# Altium PCB Hydro_USBL_PCB.PcbDoc (part 1 of 2) (continued)
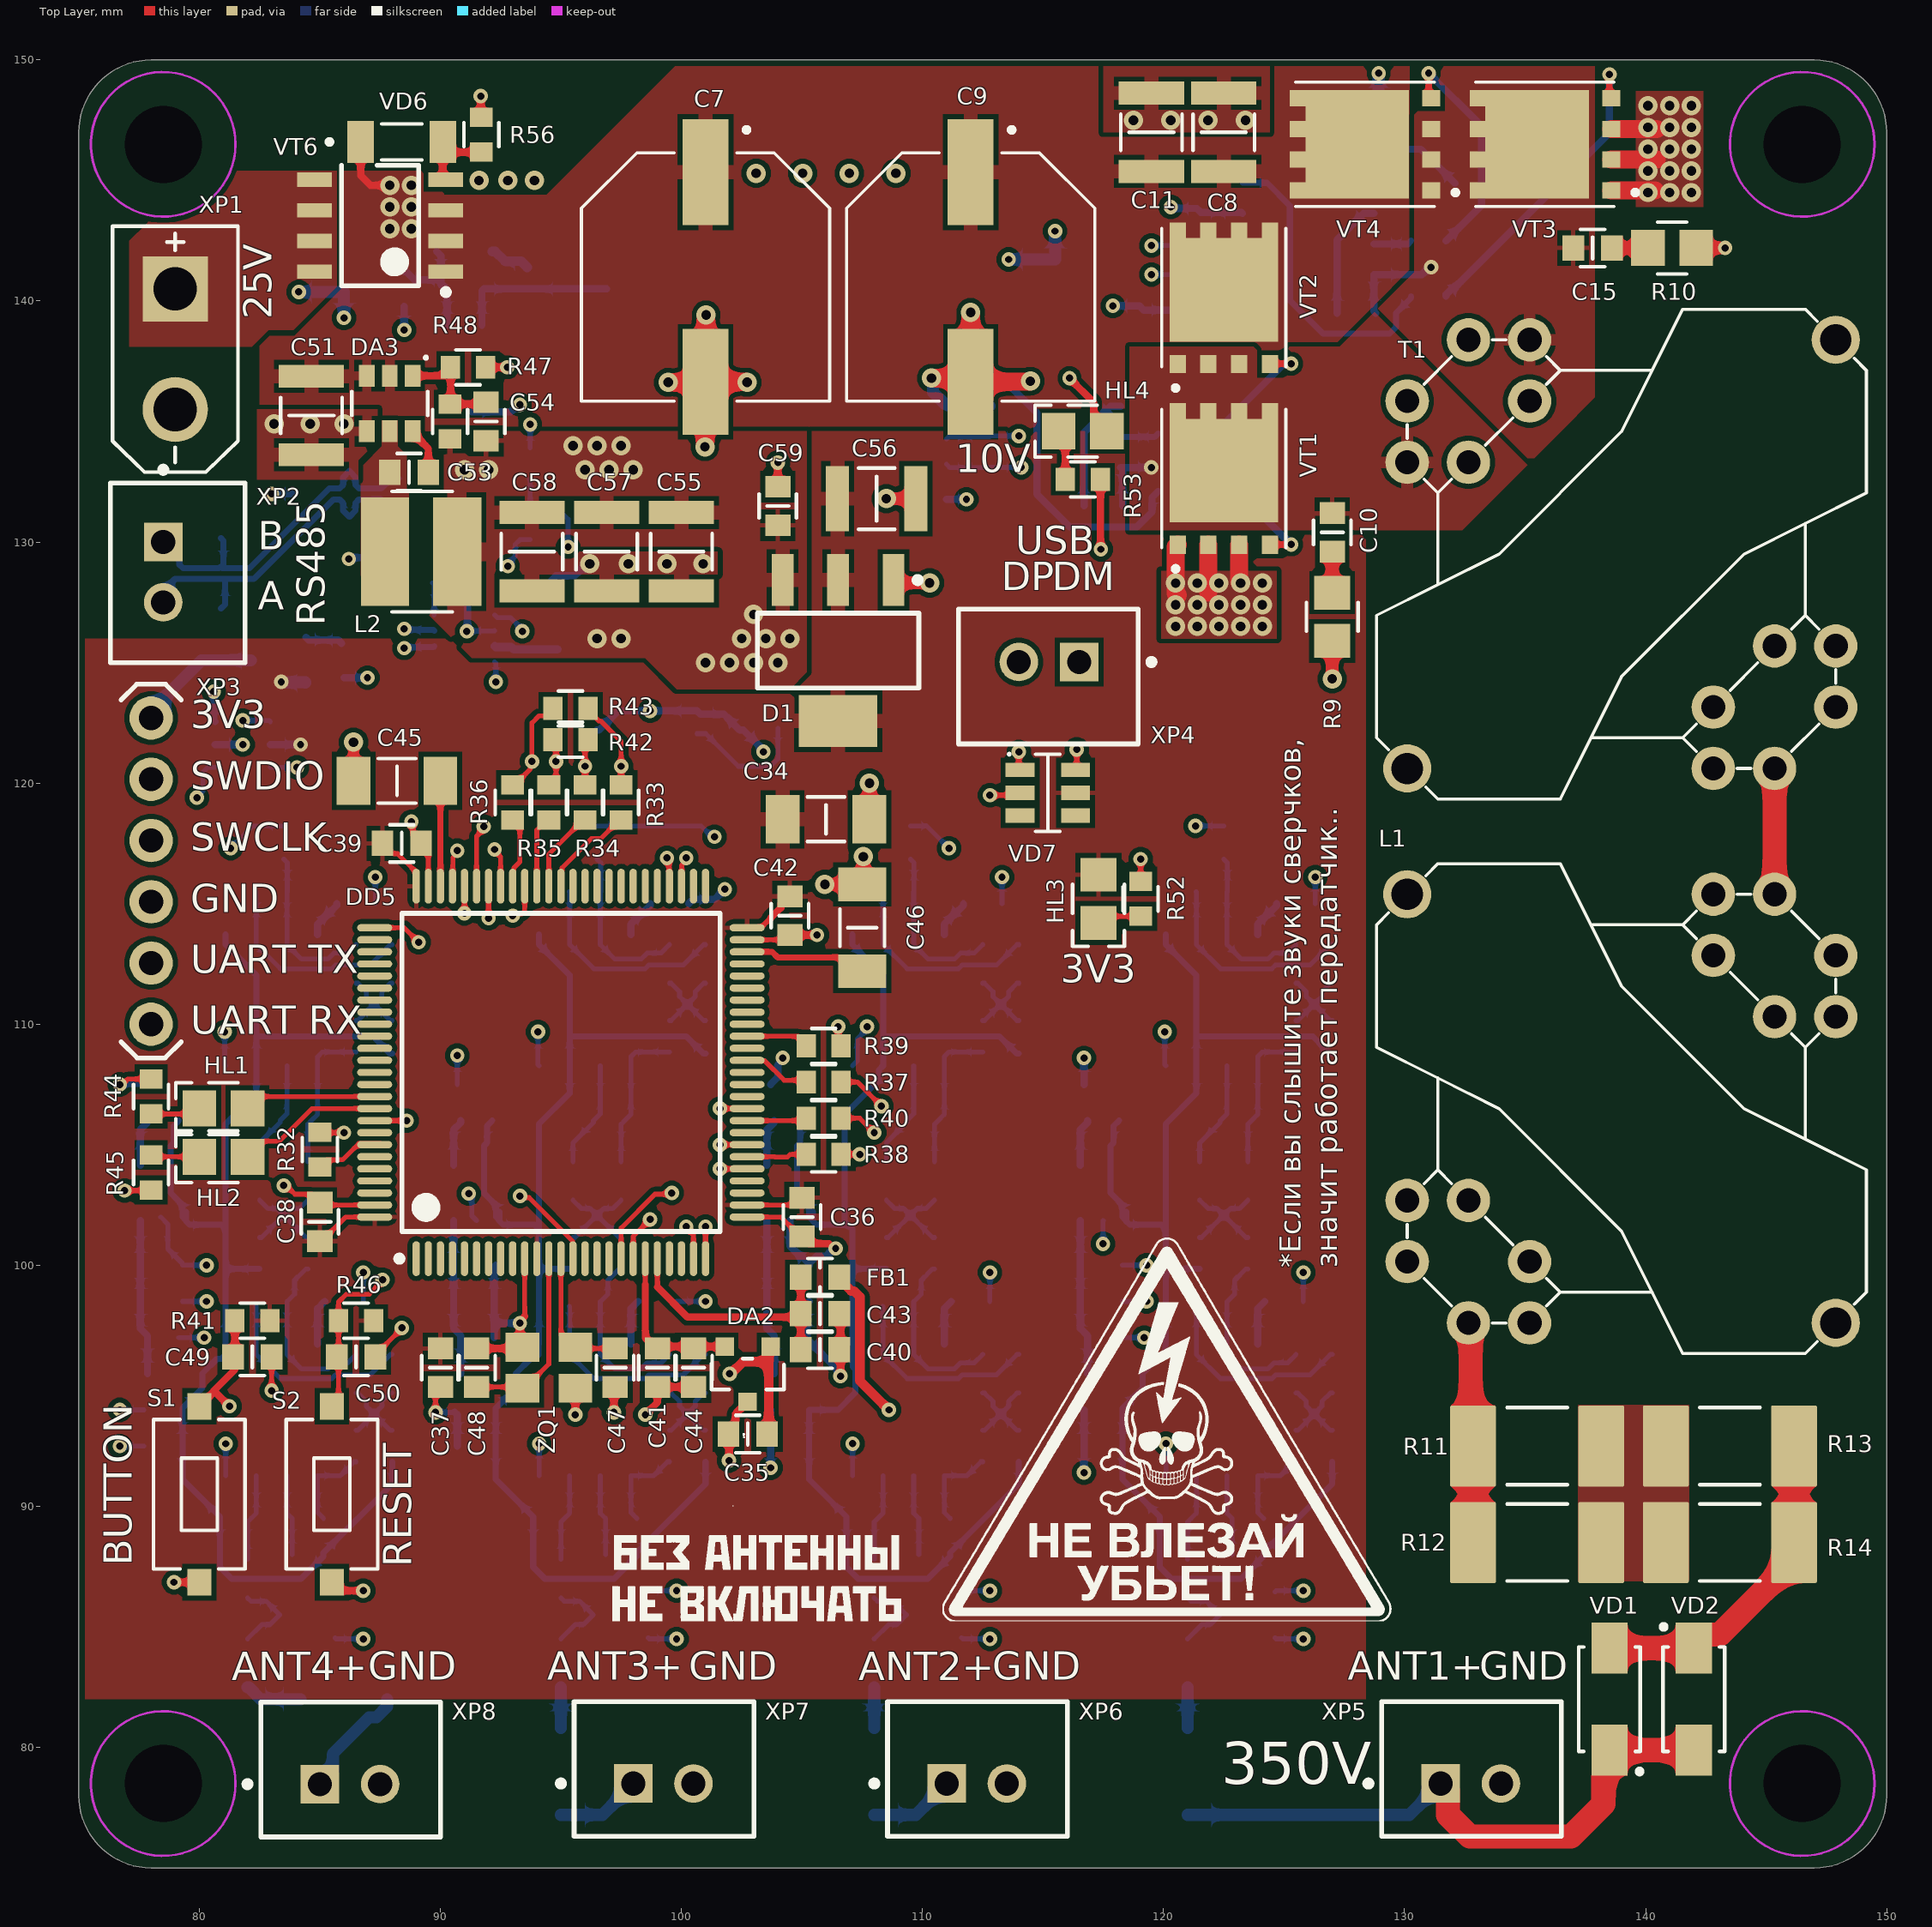
[diagram p0: Top Layer view]
## Components (designator, comment, footprint, x,y, rotation, side; value= is the part's Value field where it differs from the comment) (continued)
DD3B "AD8656" SOIC-8 109,94 r90 bottom (schematic designator DD3)
DD3C "AD8656" SOIC-8 96,94 r90 bottom (schematic designator DD3)
DD3D "AD8656" SOIC-8 83,94 r90 bottom (schematic designator DD3)
DD4A "AD8656" SOIC-8 122,111 r90 bottom (schematic designator DD4)
DD4B "AD8656" SOIC-8 109,111 r90 bottom (schematic designator DD4)
DD4C "AD8656" SOIC-8 96,111 r90 bottom (schematic designator DD4)
DD4D "AD8656" SOIC-8 83,111 r90 bottom (schematic designator DD4)
DD5 "STM32H743VIT6" LQFP100 95,108 r90 top
DD6 "MAX485CSA" SOIC-8 91,132 r180 bottom
DD7 "MAX3051EKA+T" SOT23-8 91,126 r180 bottom
FB1 "BLM18AG102SN1D" 0603L 105.75,99.5 r180 top
HL1 "LED" 0805D 81,106.5 r180 top value=Зеленый
HL2 "LED" 0805D 81,104.5 r180 top value=Красный
HL3 "LED" 0805D 117.3,115.2 r270 top value=Желтый
HL4 "LED" 0805D 116.65,134.6 r180 top value=Желтый
L1 "Inductance_RM8" RM8_trans 139,106.5 r270 top
L2 "SP43-150K" SP43 89.2,129.6 r0 top value="15 мк"
L3 "SP43-150K" SP43 96.9,142 r270 bottom value="15 мк"
R1 "Resistor" 0603R 111,135 r270 bottom value="10 к"
R2 "Resistor" 0603R 121.5,143 r270 bottom value="10 к"
R3 "Resistor" 0603R 111,132.5 r90 bottom value="10 к"
R4 "Resistor" 0603R 121.5,140.35 r90 bottom value="10 к"
R5 "Resistor" 0603R 120.5,134.5 r0 bottom value=3,3
R6 "Resistor" 0603R 120.5,132.1 r0 bottom value=3,3
R7 "Resistor" 0603R 131,142.5 r0 bottom value=3,3
R8 "Resistor" 0603R 131,140.2 r0 bottom value=3,3
R9 "Resistor" 0805R 127,126.9 r90 top value=47
R10 "Resistor" 0805R 141.1,142.2 r180 top value=47
R11 "Resistor" 2512R 135.5,92.5 r0 top value=33
R12 "Resistor" 2512R 135.5,88.5 r0 top value=33
R13 "Resistor" 2512R 143.5,92.5 r0 top value=33
R14 "Resistor" 2512R 143.5,88.5 r0 top value=33
R15A "Resistor" 0805R 121,83.5 r90 bottom value="1 к" (schematic designator R15)
R15B "Resistor" 0805R 108,83.5 r90 bottom value="1 к" (schematic designator R15)
R15C "Resistor" 0805R 95,83.5 r90 bottom value="1 к" (schematic designator R15)
R15D "Resistor" 0805R 82,83.5 r90 bottom value="1 к" (schematic designator R15)
R16A "Resistor" 0603R 123.5,88 r180 bottom value="1,0 к" (schematic designator R16)
R16B "Resistor" 0603R 110.5,88 r180 bottom value="1,0 к" (schematic designator R16)
R16C "Resistor" 0603R 97.5,88 r180 bottom value="1,0 к" (schematic designator R16)
R16D "Resistor" 0603R 84.5,88 r180 bottom value="1,0 к" (schematic designator R16)
R17A "Resistor" 0603R 120.5,89.5 r0 bottom value="470 к" (schematic designator R17)
R17B "Resistor" 0603R 107.5,89.5 r0 bottom value="470 к" (schematic designator R17)
R17C "Resistor" 0603R 94.5,89.5 r0 bottom value="470 к" (schematic designator R17)
R17D "Resistor" 0603R 81.5,89.5 r0 bottom value="470 к" (schematic designator R17)
R18A "Resistor" 0603R 117.5,95.5 r0 bottom value="12 к" (schematic designator R18)
R18B "Resistor" 0603R 104.5,95.5 r0 bottom value="12 к" (schematic designator R18)
R18C "Resistor" 0603R 91.5,95.5 r0 bottom value="12 к" (schematic designator R18)
R18D "Resistor" 0603R 78.5,95.5 r0 bottom value="12 к" (schematic designator R18)
R19A "Resistor" 0603R 117.5,97 r180 bottom value="10 к" (schematic designator R19)
R19B "Resistor" 0603R 104.5,97 r180 bottom value="10 к" (schematic designator R19)
R19C "Resistor" 0603R 91.5,97 r180 bottom value="10 к" (schematic designator R19)
R19D "Resistor" 0603R 78.5,97 r180 bottom value="10 к" (schematic designator R19)
R20A "Resistor" 0603R 123.5,89.5 r0 bottom value="10 к" (schematic designator R20)
R20B "Resistor" 0603R 110.5,89.5 r0 bottom value="10 к" (schematic designator R20)
R20C "Resistor" 0603R 97.5,89.5 r0 bottom value="10 к" (schematic designator R20)
R20D "Resistor" 0603R 84.5,89.5 r0 bottom value="10 к" (schematic designator R20)
R21A "Resistor" 0603R 127,92.5 r270 bottom value="8,2 к" (schematic designator R21)
R21B "Resistor" 0603R 114,92.5 r270 bottom value="8,2 к" (schematic designator R21)
R21C "Resistor" 0603R 101,92.5 r270 bottom value="8,2 к" (schematic designator R21)
R21D "Resistor" 0603R 88,92.5 r270 bottom value="8,2 к" (schematic designator R21)
R22A "Resistor" 0603R 125.5,92.5 r90 bottom value=620 (schematic designator R22)
R22B "Resistor" 0603R 112.5,92.5 r90 bottom value=620 (schematic designator R22)
R22C "Resistor" 0603R 99.5,92.5 r90 bottom value=620 (schematic designator R22)
R22D "Resistor" 0603R 86.5,92.5 r90 bottom value=620 (schematic designator R22)
R23A "Resistor" 0603R 117.5,106 r0 bottom value="4,7 к" (schematic designator R23)
R23B "Resistor" 0603R 104.5,106 r0 bottom value="4,7 к" (schematic designator R23)
R23C "Resistor" 0603R 91.5,106 r0 bottom value="4,7 к" (schematic designator R23)
R23D "Resistor" 0603R 78.5,106 r0 bottom value="4,7 к" (schematic designator R23)
R24A "Resistor" 0603R 122,98.5 r180 bottom value="4,7 к" (schematic designator R24)
R24B "Resistor" 0603R 109,98.5 r180 bottom value="4,7 к" (schematic designator R24)
R24C "Resistor" 0603R 96,98.5 r180 bottom value="4,7 к" (schematic designator R24)
R24D "Resistor" 0603R 83,98.5 r180 bottom value="4,7 к" (schematic designator R24)
R25A "Resistor" 0603R 123.5,100.5 r90 bottom value=560 (schematic designator R25)
R25B "Resistor" 0603R 110.5,100.5 r90 bottom value=560 (schematic designator R25)
R25C "Resistor" 0603R 97.5,100.5 r90 bottom value=560 (schematic designator R25)
R25D "Resistor" 0603R 84.5,100.5 r90 bottom value=560 (schematic designator R25)
R26A "Resistor" 0603R 121.5,100.5 r90 bottom value=220 (schematic designator R26)
R26B "Resistor" 0603R 108.5,100.5 r90 bottom value=220 (schematic designator R26)
R26C "Resistor" 0603R 95.5,100.5 r90 bottom value=220 (schematic designator R26)
R26D "Resistor" 0603R 82.5,100.5 r90 bottom value=220 (schematic designator R26)
R27A "Resistor" 0603R 123,106 r0 bottom value="6,2 к" (schematic designator R27)
R27B "Resistor" 0603R 110,106 r0 bottom value="6,2 к" (schematic designator R27)
R27C "Resistor" 0603R 97,106 r0 bottom value="6,2 к" (schematic designator R27)
R27D "Resistor" 0603R 84,106 r0 bottom value="6,2 к" (schematic designator R27)
R28A "Resistor" 0603R 127,109.5 r90 bottom value=560 (schematic designator R28)
R28B "Resistor" 0603R 114,109.5 r90 bottom value=560 (schematic designator R28)
R28C "Resistor" 0603R 101,109.5 r90 bottom value=560 (schematic designator R28)
R28D "Resistor" 0603R 88,109.5 r90 bottom value=560 (schematic designator R28)
R29A "Resistor" 0603R 125.5,109.5 r90 bottom value="1,5 к" (schematic designator R29)
R29B "Resistor" 0603R 112.5,109.5 r90 bottom value="1,5 к" (schematic designator R29)
R29C "Resistor" 0603R 99.5,109.5 r90 bottom value="1,5 к" (schematic designator R29)
R29D "Resistor" 0603R 86.5,109.5 r90 bottom value="1,5 к" (schematic designator R29)
R30A "Resistor" 0603R 122,115.5 r0 bottom value="16 к" (schematic designator R30)
R30B "Resistor" 0603R 109,115.5 r0 bottom value="16 к" (schematic designator R30)
R30C "Resistor" 0603R 96,115.5 r0 bottom value="16 к" (schematic designator R30)
R30D "Resistor" 0603R 83,115.5 r0 bottom value="16 к" (schematic designator R30)
R31A "Resistor" 0603R 122.5,117.5 r90 bottom value=220 (schematic designator R31)
R31B "Resistor" 0603R 109.5,117.5 r90 bottom value=220 (schematic designator R31)
R31C "Resistor" 0603R 96.5,117.5 r90 bottom value=220 (schematic designator R31)
R31D "Resistor" 0603R 83.5,117.5 r90 bottom value=220 (schematic designator R31)
R32 "Resistor" 0603R 85,104.8 r270 top value="10 к"
R33 "Resistor" 0603R 97.5,119.2 r90 top value=200
R34 "Resistor" 0603R 96,119.2 r90 top value=200
R35 "Resistor" 0603R 94.5,119.2 r90 top value=200
R36 "Resistor" 0603R 93,119.2 r90 top value=200
R37 "Resistor" 0603R 105.9,107.6 r0 top value=200
R38 "Resistor" 0603R 105.9,104.6 r0 top value=200
R39 "Resistor" 0603R 105.9,109.1 r0 top value=200
R40 "Resistor" 0603R 105.9,106.1 r0 top value=200
R41 "Resistor" 0603R 82.2,97.7 r0 top value="10 к"
R42 "Resistor" 0603R 95.4,121.8 r0 top value=0
R43 "Resistor" 0603R 95.4,123.1 r0 top value=0
R44 "Resistor" 0603R 78,107 r270 top value="1,0 к"
R45 "Resistor" 0603R 78,103.85 r90 top value="1,0 к"
R46 "Resistor" 0603R 86.5,97.7 r0 top value="10 к"
R47 "Resistor" 0603R 91.15,137.25 r180 top value="1,0 к"
R48 "Resistor" 0603R 90.4,135 r270 top value="5,1 к"
R49 "Resistor" 0603R 104,123 r90 bottom value="10 к"
R50 "Resistor" 0603R 88.5,140.5 r90 bottom value="1,0 к"
R51 "Resistor" 0603R 91,139 r180 bottom value="11 к"
R52 "Resistor" 0603R 119.05,115.2 r270 top value="1,0 к"
R53 "Resistor" 0603R 116.65,132.6 r180 top value="10 к"
R54 "Resistor" 0603R 86,125.1 r90 bottom value="10 к"
R55 "Resistor" 1206R 80.9,128.7 r90 bottom value=120
R56 "Resistor" 0603R 91.7,146.9 r270 top value="100 к"
R57 "Resistor" 0603R 90.4,128.3 r180 bottom value=3,3
S1 "TSS-TD-19XA-XTR" TSS-TD-19XA-XTR 80,90.5 r270 top
S2 "TSS-TD-19XA-XTR" TSS-TD-19XA-XTR 85.5,90.5 r270 top
T1 "Transformer_RM8" RM8_trans 139,129.5 r0 top
VD1 "SMA4007" SMA 138.5,82 r90 top
VD2 "SMA4007" SMA 142,82 r270 top
VD3A "BAV99" SOT23-3 123.5,85.5 r180 bottom (schematic designator VD3)
VD3B "BAV99" SOT23-3 110.5,85.5 r180 bottom (schematic designator VD3)
VD3C "BAV99" SOT23-3 97.5,85.5 r180 bottom (schematic designator VD3)
VD3D "BAV99" SOT23-3 84.5,85.5 r180 bottom (schematic designator VD3)
VD4 "PSM712" SOT23-3 85.1,132 r180 bottom
VD5 "USBLC6-4" SOT23-6 81.8,121.6 r90 bottom
VD6 "BZV55-B12" mini_MELF_3.5mm 88.4,146.6 r0 top value="12 В"
VD7 "USBLC6-4" SOT23-6 115.2,119.6 r270 top
VT1 "CSD18534Q5A" SON-8_5x6 122.5,132.5 r90 top
VT2 "CSD18534Q5A" SON-8_5x6 122.5,140 r90 top
VT3 "CSD18534Q5A" SON-8_5x6 135.963,146.5 r180 top
VT4 "CSD18534Q5A" SON-8_5x6 128.5,146.5 r180 top
VT5 "AO3401A" SOT23-3 83.3,125.1 r180 bottom
VT6 "IRF9310TR" SOIC-8 87.5,143.125 r180 top
XP1 "XT30UPB-M" XT30UPB-M 79,138 r270 top
XP2 "CWF-2" CWF-2 78.525,127.5 r90 top
XP3 "PLS-6" PLS6 78,122.7 r0 top
XP4 "CWF-2" CWF-2 114,125 r0 top
XP5 "CWF-2" CWF-2 134,78.525 r180 top
XP6 "CWF-2" CWF-2 113.5,78.525 r180 top
XP7 "CWF-2" CWF-2 100.5,78.525 r180 top
XP8 "CWF-2" CWF-2 87.5,78.5 r180 top
ZQ1 "X322525MOB4SI" X322525MOB4SI 94.5,95.75 r180 top value="25 МГц"

## Footprints (in the part's own frame and the unit in brackets; to place one, negate y for a bottom-side part, rotate by r counter-clockwise, add the part's x,y. Pads: shape width x height; smd on the part's side, far side on the other; paste and mask are expansions set on the pad)
0603C [mm] "Chip Resistor, 2-Leads, Body 1,40x0,80mm, IPC Medium Density"
  rect 0.9x1.05 smd: 1(-0.8,0) 2(0.8,0)
  silkscreen extent -0.5,-0.77 0.5,0.77, body extent -0.85,-0.45 0.85,0.45, height 0.9
0603L [mm] "Chip Inductor, 2-Leads, Body 1,55x0,85mm, IPC Medium Density"
  rect 0.9x1.05 smd: 1(-0.8,0) 2(0.8,0)
  silkscreen extent -0.5,-0.77 0.5,0.77, body extent -0.8,-0.45 0.8,0.45, height 0.45
0603R [mm] "Chip Resistor, 2-Leads, Body 1.60x0.85mm, IPC Medium Density"
  rect 0.8x0.95 smd: 1(-0.725,0) 2(0.725,0)
  silkscreen extent -0.5,-0.72 0.5,0.72, body extent -0.8,-0.4 0.8,0.4, height 0.45
0805D [mm]
  rect 1.4x1.5 smd: 1(-1,0) 2(1,0)
  silkscreen extent -0.6,-1.07 1.97,1.07, body extent -1.07,-0.7 1.07,0.7, height 0.7
0805R [mm]
  rect 1.4x1.5 smd: 1(-1,0) 2(1,0)
  silkscreen extent -0.6,-1.07 0.6,1.07, body extent -1,-0.63 1,0.63, height 0.6
1206C [mm]
  rect 1.4x2 smd paste+0: 1(-1.8,0) 2(1.8,0)
  silkscreen extent -0.77,-0.92 0.77,0.92, body extent -1.6,-0.74 1.6,0.86, height 1.59
1206R [mm]
  rect 1.05x1.72 smd: 1(-1.46,0) 2(1.46,0)
  silkscreen extent -0.63,-0.8 0.63,0.8, body extent -1.55,-0.77 1.55,0.77, height 0.65
1210C [mm]
  rect 0.954x2.706 smd paste+0: 1(-1.625,0) 2(1.625,0)
  silkscreen extent -0.75,-1.28 0.75,1.28, body extent -1.6,-1.25 1.6,1.25, height 2.7
2512R [mm]
  rrect7% 1.9x3.37 smd: 1(-2.66,0) 2(2.66,0)
  silkscreen extent -1.25,-1.6 1.25,1.6, body extent -3.17,-1.6 3.17,1.6, height 0.65
CAP_SMD_10x12,7 [mm]
  rect 4.4x1.9 smd: 1(-4.35,0) 2(4.35,0)
  silkscreen extent -6.2,-5.15 5.15,5.15, body extent -5.5,-5.15 5.5,5.15, height 12.6
CWF-2 [mm]
  rect 1.6x1.6 hole 1 paste-2539.97 mask+0: 1(2.5,0.025)
  round 1.6 hole 1 paste-2539.97 mask+0: 2(0,0.025)
  silkscreen extent -2.51,-3.37 5.62,2.22, body extent -2.5,-3.52 5,2.23, height 7
LQFP100 [mm] "TSQFP, 100-Leads, Body 14,00x14,00mm, Pitch 0,50mm, IPC Medium Density"
  oval 1.45x0.3 smd: 1(-7.725,6) 2(-7.725,5.5) 3(-7.725,5) 4(-7.725,4.5) 5(-7.725,4) 6(-7.725,3.5) 7(-7.725,3) 8(-7.725,2.5) 9(-7.725,2) 10(-7.725,1.5) 11(-7.725,1) 12(-7.725,0.5) 13(-7.725,0) 14(-7.725,-0.5) 15(-7.725,-1) 16(-7.725,-1.5) 17(-7.725,-2) 18(-7.725,-2.5) 19(-7.725,-3) 20(-7.725,-3.5) 21(-7.725,-4) 22(-7.725,-4.5) 23(-7.725,-5) 24(-7.725,-5.5) 25(-7.725,-6) 51(7.725,-6) 52(7.725,-5.5) 53(7.725,-5) 54(7.725,-4.5) 55(7.725,-4) 56(7.725,-3.5) 57(7.725,-3) 58(7.725,-2.5) 59(7.725,-2) 60(7.725,-1.5) 61(7.725,-1) 62(7.725,-0.5) 63(7.725,0) 64(7.725,0.5) 65(7.725,1) 66(7.725,1.5) 67(7.725,2) 68(7.725,2.5) 69(7.725,3) 70(7.725,3.5) 71(7.725,4) 72(7.725,4.5) 73(7.725,5) 74(7.725,5.5) 75(7.725,6)
  oval 0.3x1.45 smd: 26(-6,-7.725) 27(-5.5,-7.725) 28(-5,-7.725) 29(-4.5,-7.725) 30(-4,-7.725) 31(-3.5,-7.725) 32(-3,-7.725) 33(-2.5,-7.725) 34(-2,-7.725) 35(-1.5,-7.725) 36(-1,-7.725) 37(-0.5,-7.725) 38(0,-7.725) 39(0.5,-7.725) 40(1,-7.725) 41(1.5,-7.725) 42(2,-7.725) 43(2.5,-7.725) 44(3,-7.725) 45(3.5,-7.725) 46(4,-7.725) 47(4.5,-7.725) 48(5,-7.725) 49(5.5,-7.725) 50(6,-7.725) 76(6,7.725) 77(5.5,7.725) 78(5,7.725) 79(4.5,7.725) 80(4,7.725) 81(3.5,7.725) 82(3,7.725) 83(2.5,7.725) 84(2,7.725) 85(1.5,7.725) 86(1,7.725) 87(0.5,7.725) 88(0,7.725) 89(-0.5,7.725) 90(-1,7.725) 91(-1.5,7.725) 92(-2,7.725) 93(-2.5,7.725) 94(-3,7.725) 95(-3.5,7.725) 96(-4,7.725) 97(-4.5,7.725) 98(-5,7.725) 99(-5.5,7.725) 100(-6,7.725)
  silkscreen extent -7.85,-6.6 6.6,6.82, body extent -8,-8 8,8, height 1.6
mini_MELF_3.5mm [mm]
  rect 1.11x1.73 smd: 1(1.705,0) 2(-1.705,0)
  silkscreen extent -3.1,-0.75 0.83,0.75, body extent -1.75,-0.8 1.75,0.8, height 1.6
PLS6 [mm]
  round 1.8 hole 1: 1(0,0) 2(0,-2.54) 3(0,-5.08) 4(0,-7.62) 5(0,-10.16) 6(0,-12.7)
  silkscreen extent -1.25,-14.1 1.25,1.4, body extent -1.27,-13.97 1.27,1.27, height 8.44
RM8_trans [mm]
  round 1.8 hole 1: 1(-6.35,3.81) 2(-8.89,3.81) 3(-8.89,6.35) 4(-6.35,8.89) 5(-3.81,8.89) 6(-3.81,6.35) 7(6.35,-3.81) 8(8.89,-3.81) 9(8.89,-6.35) 10(6.35,-8.89) 11(3.81,-8.89) 12(3.81,-6.35)
  round 2 hole 1.3: G1(-8.89,-8.89) G2(8.89,8.89)
  silkscreen extent -10.16,-10.16 10.16,10.16, body extent -10.16,-10.16 10.16,10.16, height 16.5
SMA [mm]
  rect 2.12x1.5 smd: 1(2.115,0) 2(-2.115,0)
  silkscreen extent -3.1,-1.35 2.16,1.28, body extent -2.57,-1.28 2.57,1.28, height 2.5
SOIC-8 [mm] "for operational amplifier"
  rect 1.45x0.6 smd: 1(-2.725,1.905) 2(-2.725,0.635) 3(-2.725,-0.635) 4(-2.725,-1.905) 5(2.725,-1.905) 6(2.725,-0.635) 7(2.725,0.635) 8(2.725,1.905)
  silkscreen extent -2.82,-2.5 1.6,2.88, body extent -3,-2.5 3,2.5, height 1.75
SON-8_5x6 [mm]
  rect 0.75x0.675 smd paste-1: 1(-2.612,1.913) 2(-2.612,0.638) 3(-2.612,-0.637) 4(-2.612,-1.912)
  rect 4.3x4.5 smd paste-2539.97: 5(0.463,0)
  rect 1.3x0.675 smd paste-1: 5(2.613,-1.912) 5(2.613,-0.637) 5(2.613,0.638) 5(2.613,1.913)
  silkscreen extent -3.71,-2.57 3.02,2.58, body extent -2.86,-2.45 3.14,2.45, height 1.1
SOT23-3 [mil]
  rect 30x30 smd: 1(-44.29,37.4) 2(-44.29,-37.6) 3(45.71,-0.1)
  silkscreen extent -25,-59 26,59, body extent -48,-60 50,59, height 41
SOT23-5 [mm]
  rect 1.32x0.59 smd: 1(-1.145,0.95) 2(-1.145,0) 3(-1.145,-0.95) 4(1.145,-0.95) 5(1.145,0.95)
  silkscreen extent -1.37,-1.4 0.25,1.75, body extent -1.4,-1.45 1.4,1.45, height 1.45
SOT23-6 [mm]
  rect 0.6x1.2 smd: 1(-0.95,-1.15) 2(0,-1.15) 3(0.95,-1.15) 4(0.95,1.15) 5(0,1.15) 6(-0.95,1.15)
  silkscreen extent -1.65,-1.65 1.6,0.5, body extent -1.46,-1.4 1.46,1.4, height 1.4
SOT23-8 [mm]
  rrect50% 1.21x0.45 smd paste+0 mask+0.102: 1(-1.255,0.975) 2(-1.255,0.325) 3(-1.255,-0.325) 4(-1.255,-0.975) 5(1.255,-0.975) 6(1.255,-0.325) 7(1.255,0.325) 8(1.255,0.975)
  silkscreen extent -2.5,-1.54 0.88,1.54, body extent -1.4,-1.45 1.4,1.45, height 1.45
SOT223 [mm] "SOT223, ld1117"
  rect 2.15x0.9 smd: 1(-2.925,2.3) 2(-2.925,0) 3(-2.925,-2.3)
  rect 2.15x3.25 smd: 2(2.925,0)
  silkscreen extent -3.05,-3.35 1.55,3.43, body extent -3.56,-3.3 3.51,3.2, height 1.6
SP43 [mm]
  rect 2x4.5 smd: 1(-1.5,0) 2(1.5,0)
  silkscreen extent -1.2,-2.5 1.3,2.5, body extent -2,-2.22 2,2.22, height 3.19
TSOT26 [mm]
  rect 0.645x0.9 smd: 1(-0.95,-1.15) 2(0,-1.15) 3(0.95,-1.15) 4(0.95,1.15) 5(0,1.15) 6(-0.95,1.15)
  silkscreen extent -1.58,-1.95 1.57,0.5, body extent -1.5,-1.4 1.5,1.4, height 1.01
TSS-TD-19XA-XTR [mm]
  rect 1.1x1 smd: 1(-3.65,0) 2(3.65,0)
  silkscreen extent -3.1,-1.9 3.1,1.9, body extent -4.05,-1.85 4.05,1.85, height 2.55
X322525MOB4SI [mm]
  rect 1.4x1.2 smd: 1(-1.1,-0.85) 2(1.1,-0.85) 3(1.1,0.85) 4(-1.1,0.85)
  body extent -1.68,-1.33 1.68,1.33, height 0.9
XT30UPB-M [mm]
  round 2.7 hole 1.8: N(2.5,0)
  rect 2.7x2.7 hole 1.8: P(-2.5,0)
  silkscreen extent -5.1,-2.6 5.1,2.6, body extent -5.1,-2.6 5.1,2.6, height 10.7

## Part data
C1 C3 C8 C11 C51 C56 C60: library part Capacitor_10u_10_35V_X7R_1210C, "Конденсатор 1210C ёмкостью 10 мк 10%, 35 В, X7R", Capacity (nF)=10000, Dielectric=X7R, Tolerance=10%, Voltage (V)=35, Part Number=Capacitor_10u_10_35V_X7R_1210C
C2 C4 C12 C22A C22B C22C C22D C23A C23B C23C C23D C24A C24B C24C C24D C28A C28B C28C C28D C31A C31B C31C C31D C36 C37 C38 C39 C42 C43 C44 C49 C50 C52 C53 C61 C67: library part Capacitor_0,1u_10_50V_X7R_0603C, "Конденсатор 0603C ёмкостью 0,1 мк 10%, 50 В, X7R", Capacity (nF)=100, Dielectric=X7R, Tolerance=10%, Voltage (V)=50, Part Number=Capacitor_0,1u_10_50V_X7R_0603C
C5 C6 C40 C41 C59 C63: library part Capacitor_1u_10_25V_X7R_0603C, "Конденсатор 0603C ёмкостью 1 мк 10%, 25 В, X7R", Capacity (nF)=1000, Dielectric=X7R, Tolerance=10%, Voltage (V)=25, Part Number=Capacitor_1u_10_25V_X7R_0603C
C7 C9: library part 50SVPF68M, "Конденсатор алюминиевый полимерный 68мкФ 50В ±20% (10х12.6мм) для поверхностного монтажа 0.02Ом 4300мА 5000час 105°С", Capacity (uF)=68, Tolerance=20, Voltage (V)=50, Datasheet=http://cdn.promelec.ru/upload/items/2022/11/10/SVPF-Series_.pdf, Part Number=50SVPF68M, Type="SMD Aluminum", Автор=glebmih
C10 C15 C20A C20B C20C C20D: library part Capacitor_1n_5_50V_NP0_0603C, "Конденсатор 0603C ёмкостью 1 н 5%, 50 В, NP0", Capacity (nF)=1, Dielectric=NP0, Tolerance=5%, Voltage (V)=50, Part Number=Capacitor_1n_5_50V_NP0_0603C, Автор=glebmih
C19A C19B C19C C19D: library part Capacitor_100p_5_630V_NP0_1206C, "Конденсатор 1206C ёмкостью 100 п 5%, 630 В, NP0", Capacity (nF)=0,1, Dielectric=NP0, Tolerance=5%, Voltage (V)=630, Part Number=Capacitor_100p_5_630V_NP0_1206C, Автор=glebmih
C21A C21B C21C C21D C27A C27B C27C C27D: library part Capacitor_10u_10_10V_X7R_0603C, "Конденсатор 0603C ёмкостью 10 мк 10%, 10 В, X7R", Capacity (nF)=10000, Dielectric=X7R, Tolerance=10%, Voltage (V)=10, Datasheet=https://static.chipdip.ru/lib/893/DOC031893419.pdf, Part Number=Capacitor_10u_10_10V_X7R_0603C, Автор=glebmih
C25A C25B C25C C25D C26A C26B C26C C26D C29A C29B C29C C29D C30A C30B C30C C30D C32A C32B C32C C32D C33A C33B C33C C33D C54 C62: library part Capacitor_3.3n_5_50V_NP0_0603C, "Конденсатор 0603C ёмкостью 3,3 н 5%, 50 В, NP0", Capacity (nF)=3,3, Dielectric=NP0, Tolerance=5%, Voltage (V)=50, Part Number=Capacitor_3.3n_5_50V_NP0_0603C, Автор=glebmih
C34: library part Capacitor_4,7u_10_50V_X7R_1206C, "Конденсатор 1206C ёмкостью 4,7 мк 10%, 50 В, X7R", Capacity (nF)=4700, Dielectric=X7R, Tolerance=10%, Voltage (V)=50, Part Number=Capacitor_4,7u_10_50V_X7R_1206C
C35: library part Capacitor_0,47u_10_50V_X7R_0603C, "Конденсатор 0603C ёмкостью 0,47 мк 10%, 50 В, X7R", Capacity (nF)=470, Dielectric=X7R, Tolerance=10%, Voltage (V)=50, Part Number=Capacitor_0,47u_10_50V_X7R_0603C
C45 C46: library part Capacitor_2,2u_10_50V_X7R_1206C, "Конденсатор 1206C ёмкостью 2,2 мк 10%, 50 В, X7R", Capacity (nF)=2200, Dielectric=X7R, Tolerance=10%, Voltage (V)=50, Part Number=Capacitor_2,2u_10_50V_X7R_1206C
C47 C48: library part Capacitor_12p_5_50V_NP0_0603C, "Конденсатор 0603C ёмкостью 12 п 5%, 50 В, NP0", Capacity (nF)=0,012, Dielectric=NP0, Tolerance=5%, Voltage (V)=50, Part Number=Capacitor_12p_5_50V_NP0_0603C, Автор=glebmih
C55 C57 C58 C64 C65 C66: library part Capacitor_22u_10_25V_X7R_1210C, "Конденсатор 1210C ёмкостью 22 мк 10%, 25 В, X7R", Capacity (nF)=22000, Dielectric=X7R, Tolerance=10%, Voltage (V)=25, Part Number=Capacitor_22u_10_25V_X7R_1210C
D1: "Линейный стабилизатор напряжения", Part Number=LD1117S33CTR
DA1A DA1B DA1C DA1D: "Операционный усилитель, 80МГц, 1-канал, 35В/мкс, Voltage Feedback, Rail-to-Rail", Datasheet=https://static.chipdip.ru/lib/262/DOC005262075.pdf, Part Number=AD8031, Автор=glebmih
DA2: "Источник опорного напряжения, 3В", Datasheet=https://static.chipdip.ru/lib/248/DOC000248445.pdf, Part Number=REF3030AIDBZR, Автор=glebmih
DA3 DA4: "DC-DC понижающий преобразователь, Vin: 3.8 - 40 В, adj, 2 А", Part Number=AP63200
DA5: "Стабилизатор напряжения 3.3В 150мА", Datasheet=https://static.chipdip.ru/lib/986/DOC003986581.pdf, Part Number=ADP150AUJZ-3.3, Автор=glebmih
DD1 DD2: "Полумостовой драйвер затвора для mosfet транзисторов", Datasheet=https://static.chipdip.ru/lib/348/DOC032348430.pdf, Part Number=UCC27211, Автор=glebmih
DD3A DD3B DD3C DD3D DD4A DD4B DD4C DD4D: "Операционный усилитель 28МГц, CMOS, 2-канала, Rail-to-Rail", Datasheet=https://static.chipdip.ru/lib/442/DOC011442004.pdf, Part Number=AD8656, Автор=glebmih
DD5: "Микроконтроллер, 32-Бит, Cortex-M7, 480МГц, 2Мб Flash, 1Мб SRAM, 82 I/O", Package="LQFP-100 STMicroelectronics", Check_prices=https://www.snapeda.com/parts/STM32H743VIT6/STMicroelectronics/view-part/?ref=eda, Datasheet=https://static.chipdip.ru/lib/529/DOC010529789.pdf, MF=STMicroelectronics, MP=STM32H743VIT6, Part Number=STM32H743VIT6, SnapEDA_Link=https://www.snapeda.com/parts/STM32H743VIT6/STMicroelectronics/view-part/?ref=snap, Автор=glebmih
DD6: "RS-485 приёмопередатчик", Part Number=MAX485CSA
DD7: "CAN трансивер 1Mbps +3.3В", Datasheet=https://static.chipdip.ru/lib/876/DOC015876362.pdf, Part Number=MAX3051EKA+T, Автор=glebmih
FB1: "Дроссель подавления ЭМП", Datasheet=https://www.chipdip.ru/product/blm18ag102sn1d-1-kom-0.4a-0603-drossel-podavleniya-murata-9000029220, Part Number=BLM18AG102SN1D, Автор=glebmih
HL1 HL2 HL3 HL4: "Светодиод", Part Number=LED
L1: "Индуктивность на сердечнике RM8", Datasheet=https://static.chipdip.ru/lib/153/DOC004153919.pdf, Part Number=Inductance_RM8, Автор=glebmih
L2 L3: "Индуктивность на 15 мкГн, номинальный ток 1,3 А", Current="1,3 А", Inductance (μH)=15, Part Number=SP43-150K
R1 R2 R3 R4 R19A R19B R19C R19D R20A R20B R20C R20D R32 R41 R46 R49 R53 R54: library part Resistor_10k_1_0603, "Резистор номиналом 10 кОм 1%", Tolerance=1%, Part Number=Resistor_10k_1_0603
R5 R6 R7 R8 R57: library part Resistor_3.3_1_0603, "Резистор номиналом 3,3 Ом 1%", Tolerance=1%, Part Number=Resistor_3.3_1_0603
R9 R10: library part Resistor_47_1_0805, "Резистор номиналом 47 Ом 1%", Tolerance=1%, Part Number=Resistor_47_1_0805, Автор=glebmih
R11 R12 R13 R14: library part Resistor_33_1_2512, "Резистор номиналом 33 Ом 1%", Tolerance=1%, Part Number=Resistor_33_1_2512, Автор=glebmih
R15A R15B R15C R15D: library part Resistor_1k_0805, "Резистор номиналом 1 кОм 1%", Tolerance=1%, Part Number=Resistor_1k_0805, Автор=glebmih
R16A R16B R16C R16D R44 R45 R47 R50 R52: library part Resistor_1.0k_1_0603, "Резистор номиналом 1,0 кОм 1%", Tolerance=1%, Part Number=Resistor_1.0k_1_0603
R17A R17B R17C R17D: library part Resistor_470k_1_0603, "Резистор номиналом 470 кОм 1%", Tolerance=1%, Part Number=Resistor_470k_1_0603
R18A R18B R18C R18D: library part Resistor_12k_1_0603, "Резистор номиналом 12 кОм 1%", Tolerance=1%, Part Number=Resistor_12k_1_0603
R21A R21B R21C R21D: library part Resistor_8.2k_1_0603, "Резистор номиналом 8,2 кОм 1%", Tolerance=1%, Part Number=Resistor_8.2k_1_0603
R22A R22B R22C R22D: library part Resistor_620_1_0603, "Резистор номиналом 620 Ом 1%", Tolerance=1%, Part Number=Resistor_620_1_0603
R23A R23B R23C R23D R24A R24B R24C R24D: library part Resistor_4.7k_1_0603, "Резистор номиналом 4,7 кОм 1%", Tolerance=1%, Part Number=Resistor_4.7k_1_0603
R25A R25B R25C R25D R28A R28B R28C R28D: library part Resistor_560_1_0603, "Резистор номиналом 560 Ом 1%", Tolerance=1%, Part Number=Resistor_560_1_0603
R26A R26B R26C R26D R31A R31B R31C R31D: library part Resistor_220_1_0603, "Резистор номиналом 220 Ом 1%", Tolerance=1%, Part Number=Resistor_220_1_0603
R27A R27B R27C R27D: library part Resistor_6.2k_1_0603, "Резистор номиналом 6,2 кОм 1%", Tolerance=1%, Part Number=Resistor_6.2k_1_0603
R29A R29B R29C R29D: library part Resistor_1.5k_1_0603, "Резистор номиналом 1,5 кОм 1%", Tolerance=1%, Part Number=Resistor_1.5k_1_0603
R30A R30B R30C R30D: library part Resistor_16k_1_0603, "Резистор номиналом 16 кОм 1%", Tolerance=1%, Part Number=Resistor_16k_1_0603
R33 R34 R35 R36 R37 R38 R39 R40: library part Resistor_200_1_0603, "Резистор номиналом 200 Ом 1%", Tolerance=1%, Part Number=Resistor_200_1_0603
R42 R43: library part Resistor_0_5_0603, "Резистор номиналом 0 Ом 5%", Tolerance=5%, Part Number=Resistor_0_5_0603, Автор=glebmih
R48: library part Resistor_5.1k_1_0603, "Резистор номиналом 5,1 кОм 1%", Tolerance=1%, Part Number=Resistor_5.1k_1_0603
R51: library part Resistor_11k_1_0603, "Резистор номиналом 11 кОм 1%", Tolerance=1%, Part Number=Resistor_11k_1_0603
R55: library part Resistor_120_1_1206, "Резистор номиналом 120 Ом 1%", Tolerance=1%, Part Number=Resistor_120_1_1206, Автор=glebmih
R56: library part Resistor_100k_1_0603, "Резистор номиналом 100 кОм 1%", Tolerance=1%, Part Number=Resistor_100k_1_0603
S1 S2: "Тактовая кнопка", Datasheet=https://cdn.promelec.ru/upload/items/2023/04/17/TSS-TD-19XA.pdf, Part Number=TSS-TD-19XA-XTR, Автор=glebmih
T1: "Трансформатор на сердечнике RM8", Datasheet=https://static.chipdip.ru/lib/153/DOC004153919.pdf, Part Number=Transformer_RM8, Автор=glebmih
VD1 VD2: "Выпрямительный диод на 1000 В, ном. ток 1 А А", Current="1 А", Voltage (V)=1000, Datasheet=https://static.chipdip.ru/lib/867/DOC050867185.pdf, Part Number=SMA4007, Автор=glebmih
VD3A VD3B VD3C VD3D: "Диод импульсный, 2 х 0.2А, 70В, последовательное включение", Current=0.2, Voltage (V)=70, Datasheet=https://static.chipdip.ru/lib/931/DOC030931559.pdf, Part Number=BAV99, Автор=glebmih
VD4: "Защитный диод для линии RS-485", Interface=RS-485, Part Number=PSM712
VD5 VD7: "Сборка защитных диодов для USB", ComponentLink1Description=Shop, ComponentLink1URL=https://www.chipdip.ru/product0/8001780508, Part Number=USBLC6-4
VD6: "Стабилитрон 12В, 5%, 0.5Вт", Current="5 мА", Power (W)=0.5, Voltage (V)=12, Accuracy=0,02, Part Number=BZV55-B12, Автор=rreali
VT1 VT2 VT3 VT4: "N-канальный MOSFET, 60 В, 50 А", Current (A)="50 А", Voltage (V)="60 В", Datasheet=https://static.chipdip.ru/lib/647/DOC053647214.pdf, Part Number=CSD18534Q5A, Автор=glebmih
VT5: "P-канальный MOSFET", Part Number=AO3401A
VT6: "P-канальный MOSFET, 30 В, 20 А", Current (A)="20 А", Voltage (V)="30 В", Part Number=IRF9310TR, Автор=glebmih
XP1: "2-пиновый разъем с ключом", Value1="эта плюс", Value2="это пинус", Part Number=XT30UPB-M, System=Connector, Автор=rreali
XP2: "2-пиновый разъем с ключом", Value1=B, Value2=A, Datasheet=https://static.chipdip.ru/lib/413/DOC001413777.pdf, Part Number=CWF-2, System=Connector, Автор=rreali
XP3: "Гребенка 6 пинов", Value1=+3,3В, Value2=SWDIO, Value3=SWCLK, Value4=GND, Value5=UART_TX, Value6=UART_RX, Part Number=PLS-6, System=Connector, Автор=glebmih
XP4: "2-пиновый разъем с ключом", Value1=DM, Value2=DP, Datasheet=https://static.chipdip.ru/lib/413/DOC001413777.pdf, Part Number=CWF-2, System=Connector, Автор=rreali
XP5: "2-пиновый разъем с ключом", Value1=ANT1, Value2=GND, Datasheet=https://static.chipdip.ru/lib/413/DOC001413777.pdf, Part Number=CWF-2, System=Connector, Автор=rreali
XP6: "2-пиновый разъем с ключом", Value1=ANT2, Value2=GND, Datasheet=https://static.chipdip.ru/lib/413/DOC001413777.pdf, Part Number=CWF-2, System=Connector, Автор=rreali
XP7: "2-пиновый разъем с ключом", Value1=ANT3, Value2=GND, Datasheet=https://static.chipdip.ru/lib/413/DOC001413777.pdf, Part Number=CWF-2, System=Connector, Автор=rreali
XP8: "2-пиновый разъем с ключом", Value1=ANT4, Value2=GND, Datasheet=https://static.chipdip.ru/lib/413/DOC001413777.pdf, Part Number=CWF-2, System=Connector, Автор=rreali
ZQ1: "Кварцевый резонатор SMD 25 МГц ±10ppm SMD-3225_4P", Datasheet=https://datasheet.lcsc.com/lcsc/Yangxing-Tech-X322525MOB4SI_C9006.pdf, Part Number=X322525MOB4SI, Автор=rreali

## Free pads (board coordinates)
  round 1.524 hole 3.2 unplated: 1(78.5,78.5) 1(78.5,146.5) 1(146.5,146.5) 1(146.5,78.5)

## Via types
v1: diameter 0.6, hole 0.3, Top Layer to Bottom Layer, tented both sides, 140 vias
v2: diameter 0.8, hole 0.4, Top Layer to Bottom Layer, tented both sides, 86 vias

## Nets (pads, with @x,y where several pads share a name; then routed paths per layer and width w, separated by ;. In a path a pad name is that pad's centre, name@x,y a point inside that pad or via, vN(x,y) a via of type N, cw(c..) or ccw(c..) an arc to the next point about the centre after c; other vN are vias at no path point)
+5В: C12.2 C52.2 C54.2 C55.2 C57.2 C58.2 C59.2 C67.1 D1.3 DA5.1 DD6.8 DD7.3 L2.2 R48.2 R49.2 | length 2.6
  Bottom Layer w0.35: DD7.3@92.255,125.675 92.29,125.64 92.945,125.64 93.035,125.55 94.85,125.55
  other v2: 101,125 102,125 103,125 104,125 96.5,126 97.5,126 102.5,126 103.5,126 104.5,126 103,127 91,133 92,133 96,133 97,133 98,133 95.5,134 96.5,134 97.5,134
+10В: C1.1 C2.2 C3.1 C4.2 C62.2 C64.2 C65.2 C66.2 DD1.1 DD2.1 HL4.1 L3.2 R51.1 | length 9.5
  Top Layer w0.3: v1(116.1,136.8) 117.1,135.8 117.1,135.15 HL4.1@117.65,134.6
  Bottom Layer w0.3: R51.1@91.725,139 91.725,140.425 C62.2@91.8,140.5 L3.2@96.9,140.5
+24В: C7.1 C8.2 C9.1 C11.2 C51.2 C60.2 DA3.2 DA3.3 DA4.2 DA4.3 VD6.2 VT2.5 VT4.5 VT6.1 VT6.2 VT6.3 | length 2.8
  Top Layer w0.3: VD6.2@86.695,146.6 86.695,145.205 87.1,144.8 v2(87.9,144.8)
  other v2: 87.9,143 88.8,143 87.9,143.9 88.8,143.9 88.8,144.8
ADC1: DD5.30 R31A.2 | length 35.2
  Top Layer w0.2: v1(101.6,104) DD5.30@102.725,104
  Layer 1 w0.2: v1(101.6,104) 101.6,103.1 103,101.7 113.1,101.7 118,106.6 118,114.9 v1(121.325,118.225)
  Bottom Layer w0.2: v1(121.325,118.225) R31A.2@122.5,118.225
ADC2: DD5.32 R31B.2 | length 27.6
  Top Layer w0.2: v1(101.6,105) DD5.32@102.725,105
  Layer 1 w0.2: v1(101.6,105) 104.1,102.5 109.6,102.5 111.1,104 v1(111.1,117.3)
  Bottom Layer w0.2: R31B.2@109.5,118.225 110.175,118.225 v1(111.1,117.3)
ADC3: DD5.35 R31C.2 | length 33.8
  Top Layer w0.2: v1(101.6,106.5) DD5.35@102.725,106.5
  Layer 1 w0.2: v1(101.375,117.775) 102.725,117.775 109.7,110.8 109.7,104.4 108.5,103.2 104.9,103.2 v1(101.6,106.5)
  Bottom Layer w0.2: R31C.2@96.5,118.225 100.817,118.225 101.267,117.775 v1(101.375,117.775)
ADC4: DD5.18 R31D.2 | length 33.2
  Top Layer w0.2: DD5.18@97.5,100.275 97.5,101.549 98.9,102.949 99.549,102.949 v1(99.6,103)
  Layer 1 w0.2: v1(81.3,117.3) 82.8,117.3 88.4,111.7 95.1,111.7 99.6,107.2 v1(99.6,103)
  Bottom Layer w0.2: v1(81.3,117.3) 82.225,118.225 R31D.2@83.5,118.225
ANT1: C19A.1 VD1.2 VD2.1 XP5.1 | length 25.6
  Top Layer w1: XP5.1@131.5,78.5 131.8,78.2 131.8,77.2 132.7,76.3 136.9,76.3 138.25,77.65 138.25,79.635 VD1.2@138.5,79.885 VD2.1@142,79.885
  Bottom Layer w0.5: C19A.1@121,77.2 122.725,77.2 130.2,77.2 XP5.1@131.475,78.475
ANT2: C19B.1 XP6.1 | length 3.5
  Bottom Layer w0.5: C19B.1@108,77.2 109.725,77.2 XP6.1@111,78.475
ANT3: C19C.1 XP7.1 | length 3.5
  Bottom Layer w0.5: C19C.1@95,77.2 96.725,77.2 XP7.1@98,78.475
ANT4: C19D.1 XP8.1 | length 4.9
  Bottom Layer w0.5: XP8.1@85,78.475 85.55,79.025 85.55,79.75 87.05,81.25 87.35,81.25 87.8,81.7 C19D.1@87.8,82
BUTTON_4: C49.2 DD5.92 R41.1 S1.1 | length 21.3
  Top Layer w0.2: DD5.92@87.275,106 v1(88.6,106)
  Top Layer w0.3: S1.1@80,94.15 80,94.2 80.35,94.55 80.4,94.55 80.625,94.775 v1(81.25,94.15) ; 80.6,94.8 81.475,95.675 R41.1@81.475,97.7 R41.1@81.5,97.725
  Layer 1 w0.3: v1(81.25,94.15) 81.25,98.65 v1(88.6,106)
CAN_RX: DD5.70 DD7.4 | length 9.8
  Top Layer w0.2: DD5.70@91.5,115.725 91.5,117.792 91.8,118.092 v1(91.8,118.2)
  Layer 1 w0.2: v1(91.8,118.2) 91.8,123.592 92.3,124.092 v1@92.3,124.3
  Bottom Layer w0.2: DD7.4@92.255,125.025 92.3,124.98 v1(92.3,124.2)
CAN_TX: DD5.71 DD7.1 | length 15.7
  Top Layer w0.2: v1(91,114.6) DD5.71@91,115.725
  Layer 1 w0.2: v1(91,114.6) 91,115.65 91.3,115.95 91.3,117.851 91.2,117.951 91.2,118.025 90.7,118.525 90.7,123.6 v1@93.35,126.25
  Bottom Layer w0.2: DD7.1@92.255,126.975 92.365,126.865 92.914,126.865 93.4,126.379 v1(93.4,126.3)